# KiCad board CPU09BP7.kicad_pcb (continued)
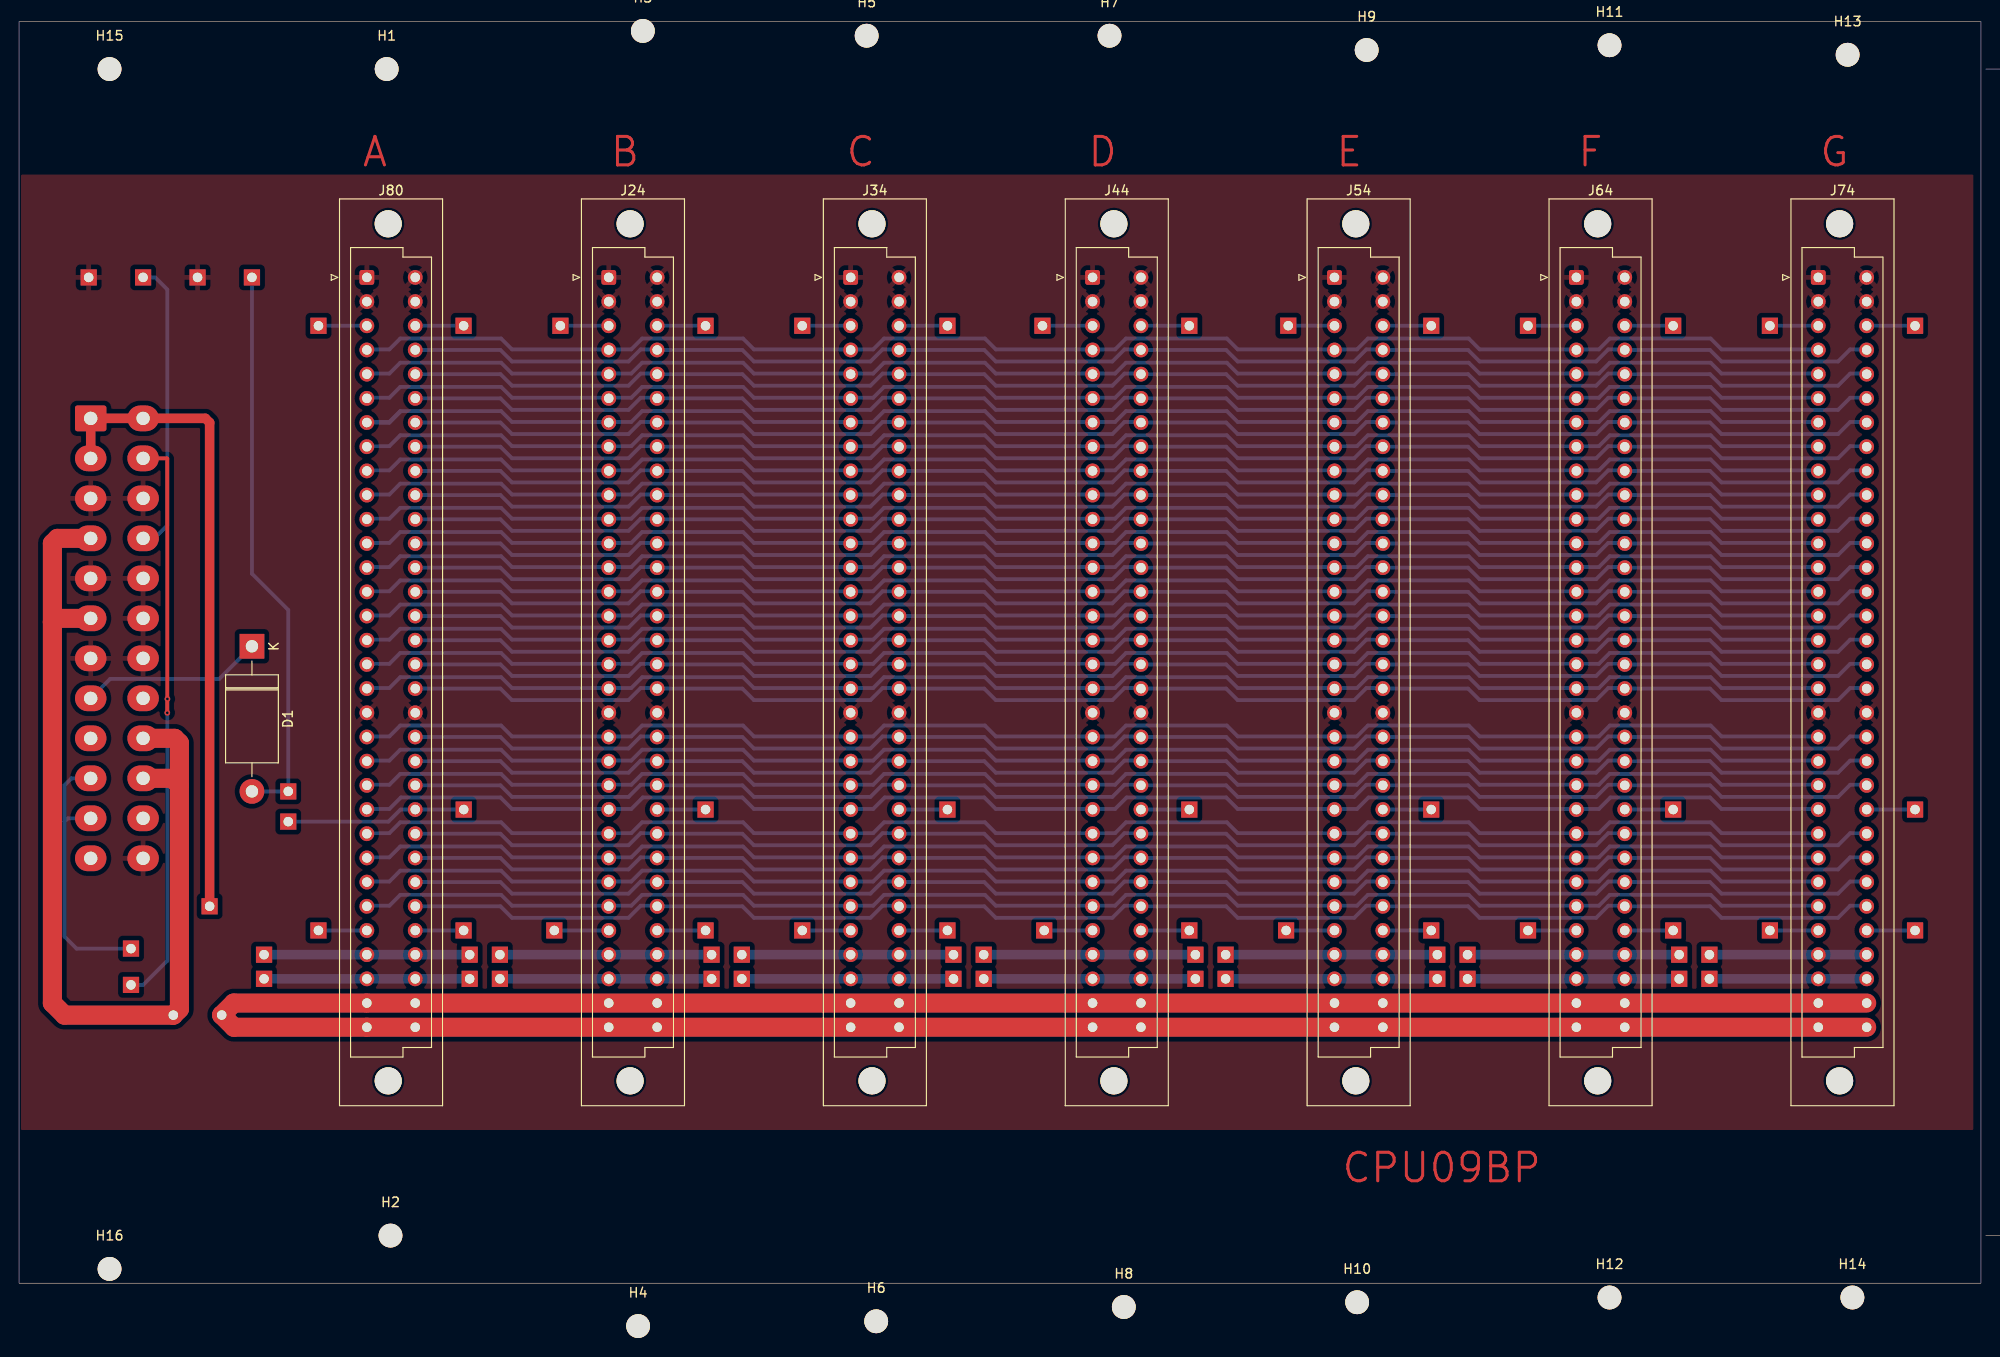
[diagram p0: board, top side]
## Nets (continued)
Net-(J24-Pin_c28): J24.c28 J27.1
Net-(J30-Pin_1): J30.1 J34.a3
Net-(J31-Pin_1): J31.1 J34.a28
Net-(J32-Pin_1): J32.1 J34.a29 J34.c29 J38.1
Net-(J33-Pin_1): J33.1 J34.a30 J34.c30 J39.1
Net-(J34-Pin_c3): J34.c3 J35.1
Net-(J34-Pin_c23): J34.c23 J36.1
Net-(J34-Pin_c28): J34.c28 J37.1
Net-(J40-Pin_1): J40.1 J44.a3
Net-(J41-Pin_1): J41.1 J44.a28
Net-(J42-Pin_1): J42.1 J44.a29 J44.c29 J48.1
Net-(J43-Pin_1): J43.1 J44.a30 J44.c30 J49.1
Net-(J44-Pin_c3): J44.c3 J45.1
Net-(J44-Pin_c23): J44.c23 J46.1
Net-(J44-Pin_c28): J44.c28 J47.1
Net-(J50-Pin_1): J50.1 J54.a3
Net-(J51-Pin_1): J51.1 J54.a28
Net-(J52-Pin_1): J52.1 J54.a29 J54.c29 J58.1
Net-(J53-Pin_1): J53.1 J54.a30 J54.c30 J59.1
Net-(J54-Pin_c3): J54.c3 J55.1
Net-(J54-Pin_c23): J54.c23 J56.1
Net-(J54-Pin_c28): J54.c28 J57.1
Net-(J60-Pin_1): J60.1 J64.a3
Net-(J61-Pin_1): J61.1 J64.a28
Net-(J62-Pin_1): J62.1 J64.a29 J64.c29 J68.1
Net-(J63-Pin_1): J63.1 J64.a30 J64.c30 J69.1
Net-(J64-Pin_c3): J64.c3 J65.1
Net-(J64-Pin_c23): J64.c23 J66.1
Net-(J64-Pin_c28): J64.c28 J67.1
Net-(J70-Pin_1): J70.1 J74.a3
Net-(J71-Pin_1): J71.1 J74.a28
Net-(J72-Pin_1): J72.1 J74.a29 J74.c29
Net-(J73-Pin_1): J73.1 J74.a30 J74.c30
Net-(J74-Pin_c3): J74.c3 J75.1
Net-(J74-Pin_c23): J74.c23 J76.1
Net-(J74-Pin_c28): J74.c28 J77.1

Pads without a net: J1 9 20

## Via types
v1: diameter 0.6, hole 0.3, Top to Bottom, 2 vias

## Routing (per net, layer and track width the routed paths; a pad name or vN(x,y) marks a point on that pad's centre or on a via; arc(x,y) is an arc through that point)
+5V: length 346.5
  Top w2: J74.c31 J80.a31 22.54,29.42 F1.2 22.56,26.88 J80.a32 J74.c32
/a22: length 158.1
  Bottom w0.4: 36.52,52.34 38.88,52.34 40.03,53.48 50.62,53.48 51.76,52.34 64.28,52.34 65.43,53.48 76.02,53.48 77.16,52.34 89.68,52.34 90.83,53.48 101.42,53.48 102.56,52.34 115.08,52.34 116.23,53.48 126.82,53.48 127.96,52.34 140.48,52.34 141.63,53.48 152.22,53.48 153.36,52.34 165.88,52.34 167.03,53.48 177.62,53.48 178.76,52.34 188.92,52.34
/a24: length 158.1
  Bottom w0.4: 36.52,47.26 38.88,47.26 40.03,48.4 50.62,48.4 51.76,47.26 64.28,47.26 65.43,48.4 76.02,48.4 77.16,47.26 89.68,47.26 90.83,48.4 101.42,48.4 102.56,47.26 115.08,47.26 116.23,48.4 126.82,48.4 127.96,47.26 140.48,47.26 141.63,48.4 152.22,48.4 153.36,47.26 165.88,47.26 167.03,48.4 177.62,48.4 178.76,47.26 188.92,47.26
/a26: length 158.1
  Bottom w0.4: 188.92,42.18 178.76,42.18 177.62,43.32 167.03,43.32 165.88,42.18 153.36,42.18 152.22,43.32 141.63,43.32 140.48,42.18 127.96,42.18 126.82,43.32 116.23,43.32 115.08,42.18 102.56,42.18 101.42,43.32 90.83,43.32 89.68,42.18 77.16,42.18 76.02,43.32 65.43,43.32 64.28,42.18 51.76,42.18 50.62,43.32 40.03,43.32 38.88,42.18 36.52,42.18
/B_BA: length 158.6
  Bottom w0.4: J24.c22 75.95,52.28 77.16,51.07 89.4,51.07 90.67,52.34 92.4,52.34 ; 143.2,52.34 141.47,52.34 140.2,51.07 127.96,51.07 126.75,52.28 J44.c22 ; 194,52.34 192.27,52.34 191,51.07 178.76,51.07 177.55,52.28 J64.c22 ; J54.c22 152.15,52.28 153.36,51.07 165.6,51.07 166.87,52.34 168.6,52.34 ; 117.8,52.34 116.07,52.34 114.8,51.07 102.56,51.07 101.35,52.28 J34.c22 ; J80.c22 50.55,52.28 51.76,51.07 64,51.07 65.27,52.34 67,52.34
/B_E: length 158.1
  Bottom w0.4: 36.52,57.42 38.88,57.42 40.03,58.56 50.62,58.56 51.76,57.42 64.28,57.42 65.43,58.56 76.02,58.56 77.16,57.42 89.68,57.42 90.83,58.56 101.42,58.56 102.56,57.42 115.08,57.42 116.23,58.56 126.82,58.56 127.96,57.42 140.48,57.42 141.63,58.56 152.22,58.56 153.36,57.42 165.88,57.42 167.03,58.56 177.62,58.56 178.76,57.42 188.92,57.42
/B_MR: length 158.6
  Bottom w0.4: 92.4,47.26 90.67,47.26 89.4,45.99 77.16,45.99 75.95,47.2 J24.c24 ; J64.c24 177.55,47.2 178.76,45.99 191,45.99 192.27,47.26 194,47.26 ; 117.8,47.26 116.07,47.26 114.8,45.99 102.56,45.99 101.35,47.2 J34.c24 ; J44.c24 126.75,47.2 127.96,45.99 140.2,45.99 141.47,47.26 143.2,47.26 ; J80.c24 50.55,47.2 51.76,45.99 64,45.99 65.27,47.26 67,47.26 ; J54.c24 152.15,47.2 153.36,45.99 165.6,45.99 166.87,47.26 168.6,47.26
/B_Q: length 158.4
  Bottom w0.4: 36.52,49.8 38.88,49.8 40.09,51.01 50.55,51.01 51.76,49.8 64.28,49.8 65.5,51.01 75.95,51.01 77.16,49.8 89.68,49.8 90.89,51.01 101.35,51.01 102.56,49.8 115.08,49.8 116.3,51.01 126.75,51.01 127.96,49.8 140.48,49.8 141.69,51.01 152.15,51.01 153.36,49.8 165.88,49.8 167.09,51.01 177.55,51.01 178.76,49.8 188.92,49.8
/BA0: length 158.1
  Bottom w0.4: 36.52,85.36 38.88,85.36 40.03,86.5 50.62,86.5 51.76,85.36 64.28,85.36 65.43,86.5 76.02,86.5 77.16,85.36 89.68,85.36 90.83,86.5 101.42,86.5 102.56,85.36 115.08,85.36 116.23,86.5 126.82,86.5 127.96,85.36 140.48,85.36 141.63,86.5 152.22,86.5 153.36,85.36 165.88,85.36 167.03,86.5 177.62,86.5 178.76,85.36 188.92,85.36
/BA1: length 158.6
  Bottom w0.4: J34.c9 101.35,85.3 102.56,84.09 114.8,84.09 116.07,85.36 117.8,85.36 ; J54.c9 152.15,85.3 153.36,84.09 165.6,84.09 166.87,85.36 168.6,85.36 ; 67,85.36 65.27,85.36 64,84.09 51.76,84.09 50.55,85.3 J80.c9 ; 194,85.36 192.27,85.36 191,84.09 178.76,84.09 177.55,85.3 J64.c9 ; 143.2,85.36 141.47,85.36 140.2,84.09 127.96,84.09 126.75,85.3 J44.c9 ; 92.4,85.36 90.67,85.36 89.4,84.09 77.16,84.09 75.95,85.3 J24.c9
/BA2: length 158.1
  Bottom w0.4: 188.92,82.82 178.76,82.82 177.62,83.96 167.03,83.96 165.88,82.82 153.36,82.82 152.22,83.96 141.63,83.96 140.48,82.82 127.96,82.82 126.82,83.96 116.23,83.96 115.08,82.82 102.56,82.82 101.42,83.96 90.83,83.96 89.68,82.82 77.16,82.82 76.02,83.96 65.43,83.96 64.28,82.82 51.76,82.82 50.62,83.96 40.03,83.96 38.88,82.82 36.52,82.82
/BA3: length 158.6
  Bottom w0.4: 194,82.82 192.27,82.82 191,81.55 178.76,81.55 177.55,82.76 J64.c10 ; J80.c10 50.55,82.76 51.76,81.55 64,81.55 65.27,82.82 67,82.82 ; J44.c10 126.75,82.76 127.96,81.55 140.2,81.55 141.47,82.82 143.2,82.82 ; J34.c10 101.35,82.76 102.56,81.55 114.8,81.55 116.07,82.82 117.8,82.82 ; 92.4,82.82 90.67,82.82 89.4,81.55 77.16,81.55 75.95,82.76 J24.c10 ; 168.6,82.82 166.87,82.82 165.6,81.55 153.36,81.55 152.15,82.76 J54.c10
/BA4: length 158.1
  Bottom w0.4: 188.92,80.28 178.76,80.28 177.62,81.42 167.03,81.42 165.88,80.28 153.36,80.28 152.22,81.42 141.63,81.42 140.48,80.28 127.96,80.28 126.82,81.42 116.23,81.42 115.08,80.28 102.56,80.28 101.42,81.42 90.83,81.42 89.68,80.28 77.16,80.28 76.02,81.42 65.43,81.42 64.28,80.28 51.76,80.28 50.62,81.42 40.03,81.42 38.88,80.28 36.52,80.28
/BA5: length 158.6
  Bottom w0.4: J44.c11 126.75,80.22 127.96,79.01 140.2,79.01 141.47,80.28 143.2,80.28 ; J54.c11 152.15,80.22 153.36,79.01 165.6,79.01 166.87,80.28 168.6,80.28 ; 67,80.28 65.27,80.28 64,79.01 51.76,79.01 50.55,80.22 J80.c11 ; J24.c11 75.95,80.22 77.16,79.01 89.4,79.01 90.67,80.28 92.4,80.28 ; J64.c11 177.55,80.22 178.76,79.01 191,79.01 192.27,80.28 194,80.28 ; J34.c11 101.35,80.22 102.56,79.01 114.8,79.01 116.07,80.28 117.8,80.28
/BA6: length 158.1
  Bottom w0.4: 36.52,77.74 38.88,77.74 40.03,78.88 50.62,78.88 51.76,77.74 64.28,77.74 65.43,78.88 76.02,78.88 77.16,77.74 89.68,77.74 90.83,78.88 101.42,78.88 102.56,77.74 115.08,77.74 116.23,78.88 126.82,78.88 127.96,77.74 140.48,77.74 141.63,78.88 152.22,78.88 153.36,77.74 165.88,77.74 167.03,78.88 177.62,78.88 178.76,77.74 188.92,77.74
/BA7: length 158.6
  Bottom w0.4: J24.c12 75.95,77.68 77.16,76.47 89.4,76.47 90.67,77.74 92.4,77.74 ; J64.c12 177.55,77.68 178.76,76.47 191,76.47 192.27,77.74 194,77.74 ; J44.c12 126.75,77.68 127.96,76.47 140.2,76.47 141.47,77.74 143.2,77.74 ; 168.6,77.74 166.87,77.74 165.6,76.47 153.36,76.47 152.15,77.68 J54.c12 ; 67,77.74 65.27,77.74 64,76.47 51.76,76.47 50.55,77.68 J80.c12 ; 117.8,77.74 116.07,77.74 114.8,76.47 102.56,76.47 101.35,77.68 J34.c12
/BA8: length 158.1
  Bottom w0.4: 36.52,75.2 38.88,75.2 40.03,76.34 50.62,76.34 51.76,75.2 64.28,75.2 65.43,76.34 76.02,76.34 77.16,75.2 89.68,75.2 90.83,76.34 101.42,76.34 102.56,75.2 115.08,75.2 116.23,76.34 126.82,76.34 127.96,75.2 140.48,75.2 141.63,76.34 152.22,76.34 153.36,75.2 165.88,75.2 167.03,76.34 177.62,76.34 178.76,75.2 188.92,75.2
/BA9: length 158.6
  Bottom w0.4: 143.2,75.2 141.47,75.2 140.2,73.93 127.96,73.93 126.75,75.14 J44.c13 ; 117.8,75.2 116.07,75.2 114.8,73.93 102.56,73.93 101.35,75.14 J34.c13 ; J54.c13 152.15,75.14 153.36,73.93 165.6,73.93 166.87,75.2 168.6,75.2 ; J64.c13 177.55,75.14 178.76,73.93 191,73.93 192.27,75.2 194,75.2 ; J80.c13 50.55,75.14 51.76,73.93 64,73.93 65.27,75.2 67,75.2 ; 92.4,75.2 90.67,75.2 89.4,73.93 77.16,73.93 75.95,75.14 J24.c13
/BA10: length 158.1
  Bottom w0.4: 36.52,72.66 38.88,72.66 40.03,73.8 50.62,73.8 51.76,72.66 64.28,72.66 65.43,73.8 76.02,73.8 77.16,72.66 89.68,72.66 90.83,73.8 101.42,73.8 102.56,72.66 115.08,72.66 116.23,73.8 126.82,73.8 127.96,72.66 140.48,72.66 141.63,73.8 152.22,73.8 153.36,72.66 165.88,72.66 167.03,73.8 177.62,73.8 178.76,72.66 188.92,72.66
/BA11: length 158.6
  Bottom w0.4: 168.6,72.66 166.87,72.66 165.6,71.39 153.36,71.39 152.15,72.6 J54.c14 ; 117.8,72.66 116.07,72.66 114.8,71.39 102.56,71.39 101.35,72.6 J34.c14 ; J64.c14 177.55,72.6 178.76,71.39 191,71.39 192.27,72.66 194,72.66 ; J44.c14 126.75,72.6 127.96,71.39 140.2,71.39 141.47,72.66 143.2,72.66 ; J24.c14 75.95,72.6 77.16,71.39 89.4,71.39 90.67,72.66 92.4,72.66 ; 67,72.66 65.27,72.66 64,71.39 51.76,71.39 50.55,72.6 J80.c14
/BA12: length 158.1
  Bottom w0.4: 188.92,70.12 178.76,70.12 177.62,71.26 167.03,71.26 165.88,70.12 153.36,70.12 152.22,71.26 141.63,71.26 140.48,70.12 127.96,70.12 126.82,71.26 116.23,71.26 115.08,70.12 102.56,70.12 101.42,71.26 90.83,71.26 89.68,70.12 77.16,70.12 76.02,71.26 65.43,71.26 64.28,70.12 51.76,70.12 50.62,71.26 40.03,71.26 38.88,70.12 36.52,70.12
/BA13: length 158.6
  Bottom w0.4: 168.6,70.12 166.87,70.12 165.6,68.85 153.36,68.85 152.15,70.06 J54.c15 ; 194,70.12 192.27,70.12 191,68.85 178.76,68.85 177.55,70.06 J64.c15 ; 92.4,70.12 90.67,70.12 89.4,68.85 77.16,68.85 75.95,70.06 J24.c15 ; J80.c15 50.55,70.06 51.76,68.85 64,68.85 65.27,70.12 67,70.12 ; J34.c15 101.35,70.06 102.56,68.85 114.8,68.85 116.07,70.12 117.8,70.12 ; 143.2,70.12 141.47,70.12 140.2,68.85 127.96,68.85 126.75,70.06 J44.c15
/BA14: length 158.1
  Bottom w0.4: 36.52,67.58 38.88,67.58 40.03,68.72 50.62,68.72 51.76,67.58 64.28,67.58 65.43,68.72 76.02,68.72 77.16,67.58 89.68,67.58 90.83,68.72 101.42,68.72 102.56,67.58 115.08,67.58 116.23,68.72 126.82,68.72 127.96,67.58 140.48,67.58 141.63,68.72 152.22,68.72 153.36,67.58 165.88,67.58 167.03,68.72 177.62,68.72 178.76,67.58 188.92,67.58
/BA15: length 158.6
  Bottom w0.4: J44.c16 126.75,67.52 127.96,66.31 140.2,66.31 141.47,67.58 143.2,67.58 ; J24.c16 75.95,67.52 77.16,66.31 89.4,66.31 90.67,67.58 92.4,67.58 ; J64.c16 177.55,67.52 178.76,66.31 191,66.31 192.27,67.58 194,67.58 ; J54.c16 152.15,67.52 153.36,66.31 165.6,66.31 166.87,67.58 168.6,67.58 ; 117.8,67.58 116.07,67.58 114.8,66.31 102.56,66.31 101.35,67.52 J34.c16 ; 67,67.58 65.27,67.58 64,66.31 51.76,66.31 50.55,67.52 J80.c16
/BA16: length 158.1
  Bottom w0.4: 36.52,65.04 38.88,65.04 40.03,66.18 50.62,66.18 51.76,65.04 64.28,65.04 65.43,66.18 76.02,66.18 77.16,65.04 89.68,65.04 90.83,66.18 101.42,66.18 102.56,65.04 115.08,65.04 116.23,66.18 126.82,66.18 127.96,65.04 140.48,65.04 141.63,66.18 152.22,66.18 153.36,65.04 165.88,65.04 167.03,66.18 177.62,66.18 178.76,65.04 188.92,65.04
/BA17: length 158.6
  Bottom w0.4: J54.c17 152.15,64.98 153.36,63.77 165.6,63.77 166.87,65.04 168.6,65.04 ; 92.4,65.04 90.67,65.04 89.4,63.77 77.16,63.77 75.95,64.98 J24.c17 ; J64.c17 177.55,64.98 178.76,63.77 191,63.77 192.27,65.04 194,65.04 ; J44.c17 126.75,64.98 127.96,63.77 140.2,63.77 141.47,65.04 143.2,65.04 ; J80.c17 50.55,64.98 51.76,63.77 64,63.77 65.27,65.04 67,65.04 ; J34.c17 101.35,64.98 102.56,63.77 114.8,63.77 116.07,65.04 117.8,65.04
/BA18: length 158.1
  Bottom w0.4: 188.92,62.5 178.76,62.5 177.62,63.64 167.03,63.64 165.88,62.5 153.36,62.5 152.22,63.64 141.63,63.64 140.48,62.5 127.96,62.5 126.82,63.64 116.23,63.64 115.08,62.5 102.56,62.5 101.42,63.64 90.83,63.64 89.68,62.5 77.16,62.5 76.02,63.64 65.43,63.64 64.28,62.5 51.76,62.5 50.62,63.64 40.03,63.64 38.88,62.5 36.52,62.5
/BA19: length 158.6
  Bottom w0.4: J64.c18 177.55,62.44 178.76,61.23 191,61.23 192.27,62.5 194,62.5 ; 67,62.5 65.27,62.5 64,61.23 51.76,61.23 50.55,62.44 J80.c18 ; 117.8,62.5 116.07,62.5 114.8,61.23 102.56,61.23 101.35,62.44 J34.c18 ; 168.6,62.5 166.87,62.5 165.6,61.23 153.36,61.23 152.15,62.44 J54.c18 ; 92.4,62.5 90.67,62.5 89.4,61.23 77.16,61.23 75.95,62.44 J24.c18 ; 143.2,62.5 141.47,62.5 140.2,61.23 127.96,61.23 126.75,62.44 J44.c18
/BD0: length 158.1
  Bottom w0.4: 36.52,95.52 38.88,95.52 40.03,96.66 50.62,96.66 51.76,95.52 64.28,95.52 65.43,96.66 76.02,96.66 77.16,95.52 89.68,95.52 90.83,96.66 101.42,96.66 102.56,95.52 115.08,95.52 116.23,96.66 126.82,96.66 127.96,95.52 140.48,95.52 141.63,96.66 152.22,96.66 153.36,95.52 165.88,95.52 167.03,96.66 177.62,96.66 178.76,95.52 188.92,95.52
/BD1: length 158.6
  Bottom w0.4: 168.6,95.52 166.87,95.52 165.6,94.25 153.36,94.25 152.15,95.46 J54.c5 ; J80.c5 50.55,95.46 51.76,94.25 64,94.25 65.27,95.52 67,95.52 ; J24.c5 75.95,95.46 77.16,94.25 89.4,94.25 90.67,95.52 92.4,95.52 ; 117.8,95.52 116.07,95.52 114.8,94.25 102.56,94.25 101.35,95.46 J34.c5 ; 143.2,95.52 141.47,95.52 140.2,94.25 127.96,94.25 126.75,95.46 J44.c5 ; J64.c5 177.55,95.46 178.76,94.25 191,94.25 192.27,95.52 194,95.52
/BD2: length 158.1
  Bottom w0.4: 36.52,92.98 38.88,92.98 40.03,94.12 50.62,94.12 51.76,92.98 64.28,92.98 65.43,94.12 76.02,94.12 77.16,92.98 89.68,92.98 90.83,94.12 101.42,94.12 102.56,92.98 115.08,92.98 116.23,94.12 126.82,94.12 127.96,92.98 140.48,92.98 141.63,94.12 152.22,94.12 153.36,92.98 165.88,92.98 167.03,94.12 177.62,94.12 178.76,92.98 188.92,92.98
/BD3: length 158.6
  Bottom w0.4: 117.8,92.98 116.07,92.98 114.8,91.71 102.56,91.71 101.35,92.92 J34.c6 ; 67,92.98 65.27,92.98 64,91.71 51.76,91.71 50.55,92.92 J80.c6 ; J54.c6 152.15,92.92 153.36,91.71 165.6,91.71 166.87,92.98 168.6,92.98 ; 194,92.98 192.27,92.98 191,91.71 178.76,91.71 177.55,92.92 J64.c6 ; J24.c6 75.95,92.92 77.16,91.71 89.4,91.71 90.67,92.98 92.4,92.98 ; J44.c6 126.75,92.92 127.96,91.71 140.2,91.71 141.47,92.98 143.2,92.98
/BD4: length 166
  Bottom w0.4: 38.88,90.38 J80.a7 38.88,90.38 ; 38.88,90.38 40.03,91.52 38.88,90.38 ; 36.52,90.44 38.88,90.44 40.03,91.58 50.62,91.58 51.76,90.44 64.28,90.44 65.43,91.58 76.02,91.58 77.16,90.44 89.68,90.44 90.83,91.58 101.42,91.58 102.56,90.44 115.08,90.44 116.23,91.58 126.82,91.58 127.96,90.44 140.48,90.44 141.63,91.58 152.22,91.58 153.36,90.44 165.88,90.44 167.03,91.58 177.62,91.58 178.76,90.44 188.92,90.44
/BD5: length 158.6
  Bottom w0.4: J64.c7 177.55,90.38 178.76,89.17 191,89.17 192.27,90.44 194,90.44 ; J80.c7 50.55,90.38 51.76,89.17 64,89.17 65.27,90.44 67,90.44 ; 117.8,90.44 116.07,90.44 114.8,89.17 102.56,89.17 101.35,90.38 J34.c7 ; 168.6,90.44 166.87,90.44 165.6,89.17 153.36,89.17 152.15,90.38 J54.c7 ; 92.4,90.44 90.67,90.44 89.4,89.17 77.16,89.17 75.95,90.38 J24.c7 ; J44.c7 126.75,90.38 127.96,89.17 140.2,89.17 141.47,90.44 143.2,90.44
/BD6: length 158.1
  Bottom w0.4: 188.92,87.9 178.76,87.9 177.62,89.04 167.03,89.04 165.88,87.9 153.36,87.9 152.22,89.04 141.63,89.04 140.48,87.9 127.96,87.9 126.82,89.04 116.23,89.04 115.08,87.9 102.56,87.9 101.42,89.04 90.83,89.04 89.68,87.9 77.16,87.9 76.02,89.04 65.43,89.04 64.28,87.9 51.76,87.9 50.62,89.04 40.03,89.04 38.88,87.9 36.52,87.9
/BD7: length 158.6
  Bottom w0.4: J24.c8 75.95,87.84 77.16,86.63 89.4,86.63 90.67,87.9 92.4,87.9 ; J44.c8 126.75,87.84 127.96,86.63 140.2,86.63 141.47,87.9 143.2,87.9 ; J80.c8 50.55,87.84 51.76,86.63 64,86.63 65.27,87.9 67,87.9 ; J54.c8 152.15,87.84 153.36,86.63 165.6,86.63 166.87,87.9 168.6,87.9 ; J64.c8 177.55,87.84 178.76,86.63 191,86.63 192.27,87.9 194,87.9 ; 117.8,87.9 116.07,87.9 114.8,86.63 102.56,86.63 101.35,87.84 J34.c8
/c25: length 158.6
  Bottom w0.4: J54.c25 152.15,44.66 153.36,43.45 165.6,43.45 166.87,44.72 168.6,44.72 ; J34.c25 101.35,44.66 102.56,43.45 114.8,43.45 116.07,44.72 117.8,44.72 ; J64.c25 177.55,44.66 178.76,43.45 191,43.45 192.27,44.72 194,44.72 ; J80.c25 50.55,44.66 51.76,43.45 64,43.45 65.27,44.72 67,44.72 ; 92.4,44.72 90.67,44.72 89.4,43.45 77.16,43.45 75.95,44.66 J24.c25 ; 143.2,44.72 141.47,44.72 140.2,43.45 127.96,43.45 126.75,44.66 J44.c25
/c27: length 158.6
  Bottom w0.4: J54.c27 152.15,39.58 153.36,38.37 165.6,38.37 166.87,39.64 168.6,39.64 ; J64.c27 177.55,39.58 178.76,38.37 191,38.37 192.27,39.64 194,39.64 ; J44.c27 126.75,39.58 127.96,38.37 140.2,38.37 141.47,39.64 143.2,39.64 ; 67,39.64 65.27,39.64 64,38.37 51.76,38.37 50.55,39.58 J80.c27 ; J24.c27 75.95,39.58 77.16,38.37 89.4,38.37 90.67,39.64 92.4,39.64 ; 117.8,39.64 116.07,39.64 114.8,38.37 102.56,38.37 101.35,39.58 J34.c27
/DIV3: length 5.1
  Bottom w0.4: J80.a28 J15.1
/DIV4: length 158.1
  Bottom w0.4: 36.52,98.06 38.88,98.06 40.03,99.2 50.62,99.2 51.76,98.06 64.28,98.06 65.43,99.2 76.02,99.2 77.16,98.06 89.68,98.06 90.83,99.2 101.42,99.2 102.56,98.06 115.08,98.06 116.23,99.2 126.82,99.2 127.96,98.06 140.48,98.06 141.63,99.2 152.22,99.2 153.36,98.06 165.88,98.06 167.03,99.2 177.62,99.2 178.76,98.06 188.92,98.06
/DIV5: length 5.1
  Bottom w0.4: J12.1 J80.a3
/DIV6: length 5.1
  Bottom w0.4: J13.1 J80.c3
/DIV7: length 5.1
  Bottom w0.4: J80.c28 J14.1
/RBAUD: length 21.6
  Bottom w1: J17.1 J80.c30 J19.1
/~{B_HLT}: length 158.1
  Bottom w0.4: 188.92,44.72 178.76,44.72 177.62,45.86 167.03,45.86 165.88,44.72 153.36,44.72 152.22,45.86 141.63,45.86 140.48,44.72 127.96,44.72 126.82,45.86 116.23,45.86 115.08,44.72 102.56,44.72 101.42,45.86 90.83,45.86 89.68,44.72 77.16,44.72 76.02,45.86 65.43,45.86 64.28,44.72 51.76,44.72 50.62,45.86 40.03,45.86 38.88,44.72 36.52,44.72
/~{B_IRQ}: length 158.6
  Bottom w0.4: 92.4,42.18 90.67,42.18 89.4,40.91 77.16,40.91 75.95,42.12 J24.c26 ; J80.c26 50.55,42.12 51.76,40.91 64,40.91 65.27,42.18 67,42.18 ; J64.c26 177.55,42.12 178.76,40.91 191,40.91 192.27,42.18 194,42.18 ; J34.c26 101.35,42.12 102.56,40.91 114.8,40.91 116.07,42.18 117.8,42.18 ; J54.c26 152.15,42.12 153.36,40.91 165.6,40.91 166.87,42.18 168.6,42.18 ; J44.c26 126.75,42.12 127.96,40.91 140.2,40.91 141.47,42.18 143.2,42.18
/~{B_NMI}: length 158.1
  Bottom w0.4: 36.52,39.64 38.88,39.64 40.03,40.78 50.62,40.78 51.76,39.64 64.28,39.64 65.43,40.78 76.02,40.78 77.16,39.64 89.68,39.64 90.83,40.78 101.42,40.78 102.56,39.64 115.08,39.64 116.23,40.78 126.82,40.78 127.96,39.64 140.48,39.64 141.63,40.78 152.22,40.78 153.36,39.64 165.88,39.64 167.03,40.78 177.62,40.78 178.76,39.64 188.92,39.64
/~{B_RES}: length 158.1
  Bottom w0.4: 188.92,54.88 178.76,54.88 177.62,56.02 167.03,56.02 165.88,54.88 153.36,54.88 152.22,56.02 141.63,56.02 140.48,54.88 127.96,54.88 126.82,56.02 116.23,56.02 115.08,54.88 102.56,54.88 101.42,56.02 90.83,56.02 89.68,54.88 77.16,54.88 76.02,56.02 65.43,56.02 64.28,54.88 51.76,54.88 50.62,56.02 40.03,56.02 38.88,54.88 36.52,54.88
/~{B_RW}: length 158.6
  Bottom w0.4: J64.c20 177.55,57.36 178.76,56.15 191,56.15 192.27,57.42 194,57.42 ; 168.6,57.42 166.87,57.42 165.6,56.15 153.36,56.15 152.15,57.36 J54.c20 ; J44.c20 126.75,57.36 127.96,56.15 140.2,56.15 141.47,57.42 143.2,57.42 ; 117.8,57.42 116.07,57.42 114.8,56.15 102.56,56.15 101.35,57.36 J34.c20 ; 92.4,57.42 90.67,57.42 89.4,56.15 77.16,56.15 75.95,57.36 J24.c20 ; 67,57.42 65.27,57.42 64,56.15 51.76,56.15 50.55,57.36 J80.c20
/~{B_VMA}: length 158.6
  Bottom w0.4: 194,54.88 192.27,54.88 191,53.61 178.76,53.61 177.55,54.82 J64.c21 ; 117.8,54.88 116.07,54.88 114.8,53.61 102.56,53.61 101.35,54.82 J34.c21 ; J54.c21 152.15,54.82 153.36,53.61 165.6,53.61 166.87,54.88 168.6,54.88 ; 143.2,54.88 141.47,54.88 140.2,53.61 127.96,53.61 126.75,54.82 J44.c21 ; J80.c21 50.55,54.82 51.76,53.61 64,53.61 65.27,54.88 67,54.88 ; 92.4,54.88 90.67,54.88 89.4,53.61 77.16,53.61 75.95,54.82 J24.c21
/~{EXT}: length 158.6
  Bottom w0.4: J44.c4 126.75,98 127.96,96.79 140.2,96.79 141.47,98.06 143.2,98.06 ; 168.6,98.06 166.87,98.06 165.6,96.79 153.36,96.79 152.15,98 J54.c4 ; 92.4,98.06 90.67,98.06 89.4,96.79 77.16,96.79 75.95,98 J24.c4 ; 67,98.06 65.27,98.06 64,96.79 51.76,96.79 50.55,98 J80.c4 ; 117.8,98.06 116.07,98.06 114.8,96.79 102.56,96.79 101.35,98 J34.c4 ; J64.c4 177.55,98 178.76,96.79 191,96.79 192.27,98.06 194,98.06
/~{RES}: length 19
  Bottom w0.4: J11.1 J80.c23 40.06,49.74 38.79,48.47 J10.1
Net-(D1-A): length 59.4
  Bottom w0.4: J8.1 24.45,74.5 28.27,70.69 J9.1 24.45,51.64
Net-(D1-K): length 19.2
  Bottom w0.4: 7.53,61.42 9.57,63.46 21.03,63.46 D1.1
Net-(F1-Pad1): length 106.9
  Top w2: 13.03,53.02 16.1,53.02 16.84,52.28 ; 3.5,69.42 3.89,69.81 7.53,69.81 ; 3.5,69.42 3.5,29.42 4.77,28.15 F1.1 16.84,28.78 16.84,52.28 ; 3.5,69.42 3.5,77.68 4.04,78.22 7.53,78.22 ; 16.84,52.28 16.84,56.72 16.34,57.22 13.03,57.22
Net-(J1--12V): length 61.6
  Top w0.4: v1(15.56,59.9) 15.56,86.57 15.52,86.62 13.03,86.62
  Bottom w0.4: J3.1 13.03,31.33 15.56,33.86 v1(15.56,59.9) 15.56,61.34 v1(15.58,61.35)
Net-(J1-PS_ON#): length 30.9
  Bottom w0.4: 13.03,78.22 14.2,78.22 15.56,79.59 15.56,104.35 14.29,105.62 J5.1
Net-(J2-Pin_1): length 29.3
  Bottom w0.4: 7.53,48.81 5.12,48.81 4.77,48.47 ; 7.53,53.02 5.5,53.02 4.77,52.28 4.77,48.47 ; J2.1 6.04,35.14 4.77,36.41 4.77,48.47
Net-(J4-Pin_1): length 67.7
  Top w1: J4.1 20.01,90.38 19.57,90.81 J1.13 J1.1 7.53,86.62
Net-(J16-Pin_1): length 21.6
  Bottom w1: J16.1 J80.c29 J18.1
Net-(J20-Pin_1): length 5.1
  Bottom w0.4: J20.1 J24.a3
Net-(J21-Pin_1): length 5.7
  Bottom w0.4: J24.a28 J21.1
Net-(J22-Pin_1): length 22.2
  Bottom w1: J28.1 J24.c29 J22.1
Net-(J23-Pin_1): length 22.2
  Bottom w1: J29.1 J24.c30 J23.1
Net-(J24-Pin_c3): length 5.1
  Bottom w0.4: J24.c3 J25.1
Net-(J24-Pin_c23): length 5.1
  Bottom w0.4: J26.1 J24.c23
Net-(J24-Pin_c28): length 5.1
  Bottom w0.4: J27.1 J24.c28
Net-(J30-Pin_1): length 5.1
  Bottom w0.4: J30.1 J34.a3
Net-(J31-Pin_1): length 5.1
  Bottom w0.4: J31.1 J34.a28
Net-(J32-Pin_1): length 22.2
  Bottom w1: J32.1 J34.c29 J38.1
Net-(J33-Pin_1): length 22.2
  Bottom w1: J39.1 J34.c30 J33.1
Net-(J34-Pin_c3): length 5.1
  Bottom w0.4: J35.1 J34.c3
Net-(J34-Pin_c23): length 5.1
  Bottom w0.4: J36.1 J34.c23
Net-(J34-Pin_c28): length 5.1
  Bottom w0.4: J37.1 J34.c28
Net-(J40-Pin_1): length 5.3
  Bottom w0.4: J40.1 J44.a3
Net-(J41-Pin_1): length 5.1
  Bottom w0.4: J41.1 J44.a28
Net-(J42-Pin_1): length 22.2
  Bottom w1: J48.1 J44.c29 J42.1
Net-(J43-Pin_1): length 22.2
  Bottom w1: J43.1 J44.c30 J49.1
Net-(J44-Pin_c3): length 5.1
  Bottom w0.4: J45.1 J44.c3
Net-(J44-Pin_c23): length 5.1
  Bottom w0.4: J46.1 J44.c23
Net-(J44-Pin_c28): length 5.1
  Bottom w0.4: J47.1 J44.c28
Net-(J50-Pin_1): length 4.9
  Bottom w0.4: J50.1 138.11,100.55 J54.a3
Net-(J51-Pin_1): length 5.1
  Bottom w0.4: J51.1 J54.a28
Net-(J52-Pin_1): length 22.2
  Bottom w1: J52.1 J54.c29 J58.1
Net-(J53-Pin_1): length 22.2
  Bottom w1: J59.1 J54.c30 J53.1
Net-(J54-Pin_c3): length 5.1
  Bottom w0.4: J55.1 J54.c3
Net-(J54-Pin_c23): length 5.1
  Bottom w0.4: J54.c23 J56.1
Net-(J54-Pin_c28): length 5.1
  Bottom w0.4: J57.1 J54.c28
Net-(J60-Pin_1): length 5.1
  Bottom w0.4: J60.1 J64.a3
Net-(J61-Pin_1): length 5.1
  Bottom w0.4: J61.1 J64.a28
Net-(J62-Pin_1): length 22.2
  Bottom w1: J62.1 J64.c29 J68.1
Net-(J63-Pin_1): length 22.2
  Bottom w1: J63.1 J64.c30 J69.1
Net-(J64-Pin_c3): length 5.1
  Bottom w0.4: J65.1 J64.c3
Net-(J64-Pin_c23): length 5.1
  Bottom w0.4: J66.1 J64.c23
Net-(J64-Pin_c28): length 5.1
  Bottom w0.4: J67.1 J64.c28
Net-(J70-Pin_1): length 5.1
  Bottom w0.4: J70.1 J74.a3
Net-(J71-Pin_1): length 5.1
  Bottom w0.4: J71.1 J74.a28
Net-(J72-Pin_1): length 16.5
  Bottom w1: J74.c29 J72.1
Net-(J73-Pin_1): length 16.5
  Bottom w1: J73.1 J74.c30
Net-(J74-Pin_c3): length 5.1
  Bottom w0.4: J75.1 J74.c3
Net-(J74-Pin_c23): length 5.1
  Bottom w0.4: J76.1 J74.c23
Net-(J74-Pin_c28): length 5.1
  Bottom w0.4: J77.1 J74.c28

## Copper pours and planes (outline as drawn; the poured copper is in the pictures)
GND on Top, Bottom: -2.85,116.41 207.97,116.41 207.97,16.08 -1.58,16.08

## Text on the board
B.Silkscreen: REV: 1.2
User.Drawings: Pin1 of all Bus Connectors: / 26,88 down from edge. | Pin c1 of J74: / 12mm from right edge. | Holes 5mm from edge?
Top: A | B | C | D | E | CPU09BP | F | G
